# Altium PCB PCB.PcbDoc
Units mm, origin at the board's own origin, x right, y up, seen from the top; angles counter-clockwise.
Board outline 37.3 x 12.32 mm, 6 copper layers (Top Layer, GND, Signal Layer 1, Signal Layer 2, VCC, Bottom Layer), stack 0.816 mm thick; 58 components, 50 nets, 322 pads, 77 vias.
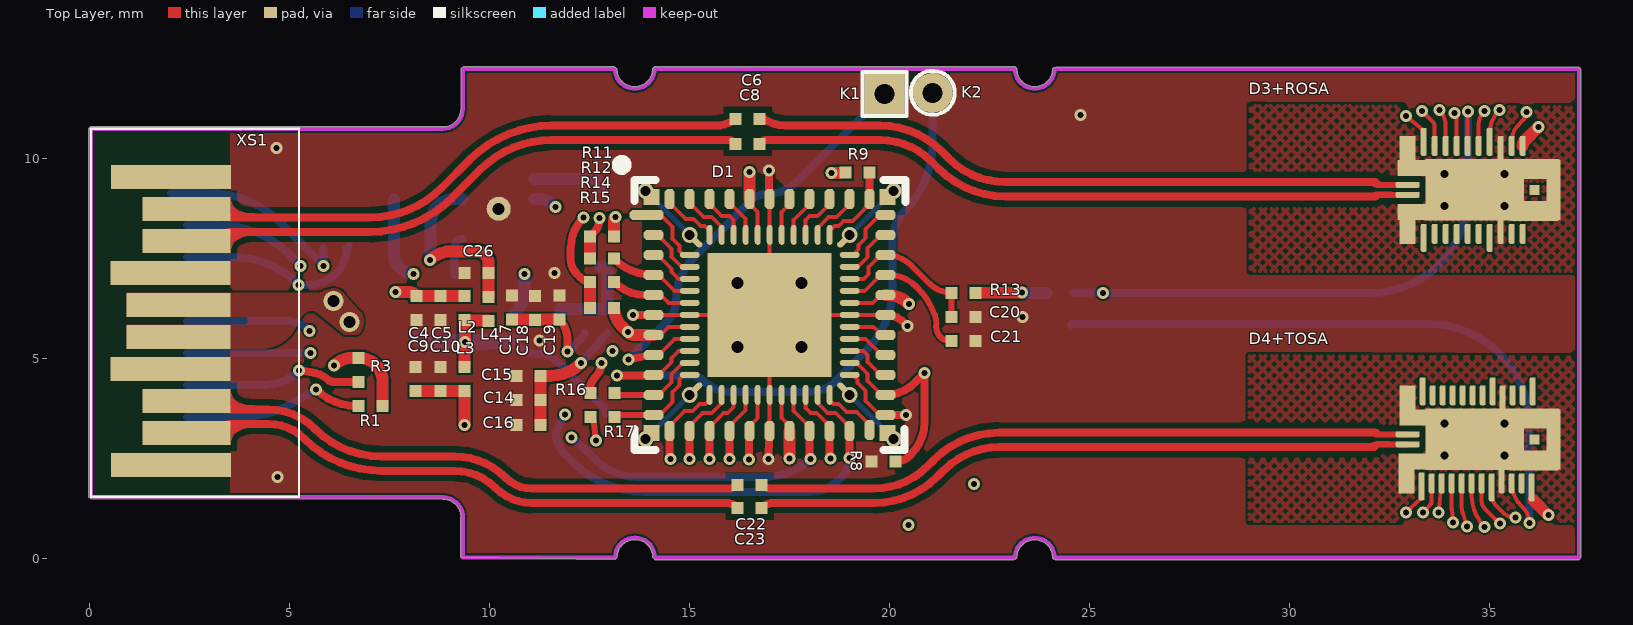
[diagram p0: Top Layer view]
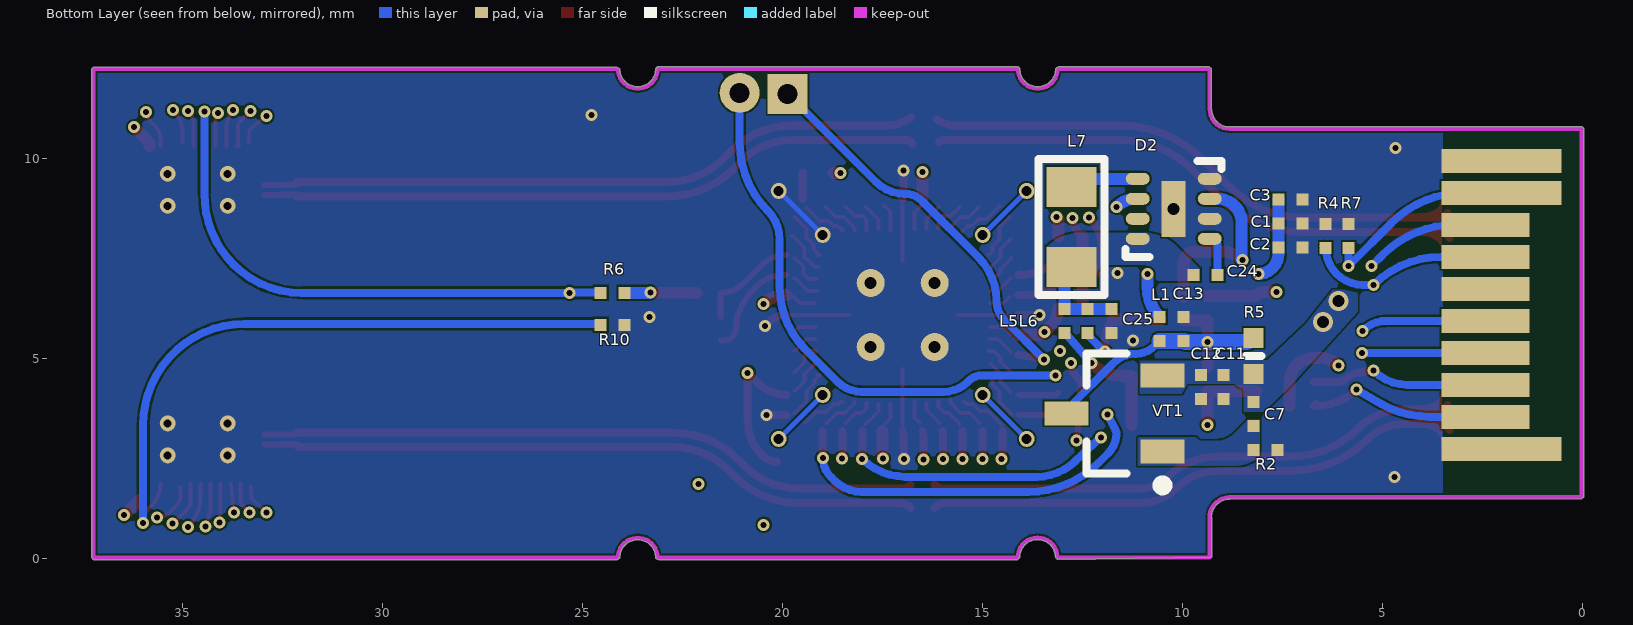
[diagram p1: Bottom Layer view, seen from below]
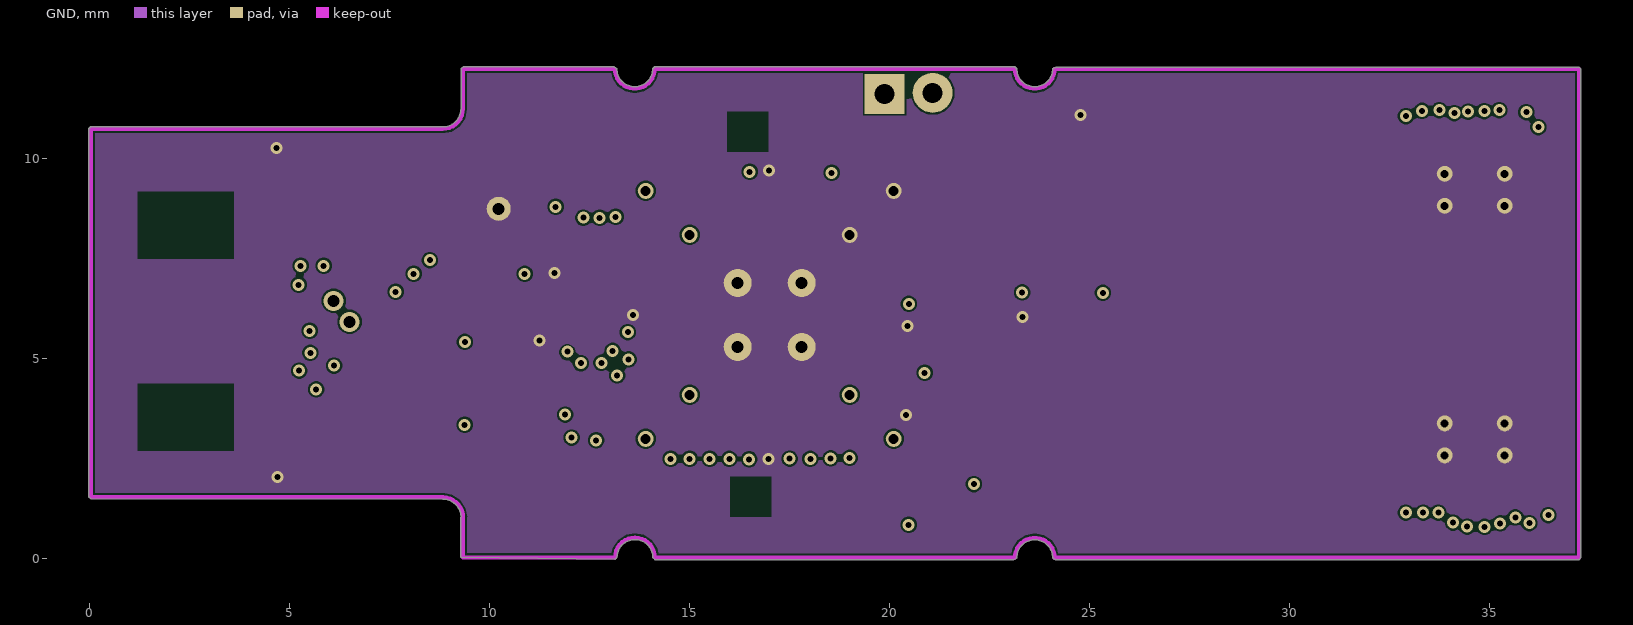
[diagram p2: GND]
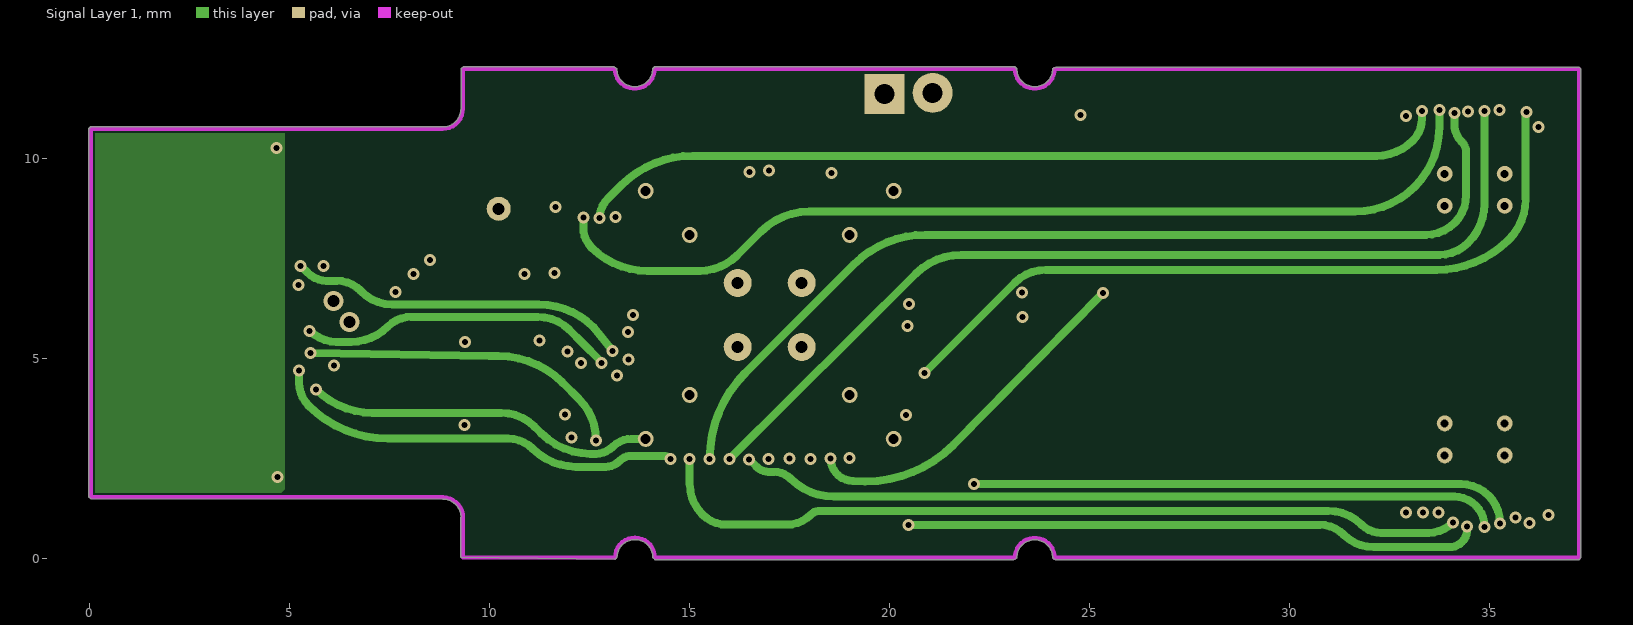
[diagram p3: Signal Layer 1]
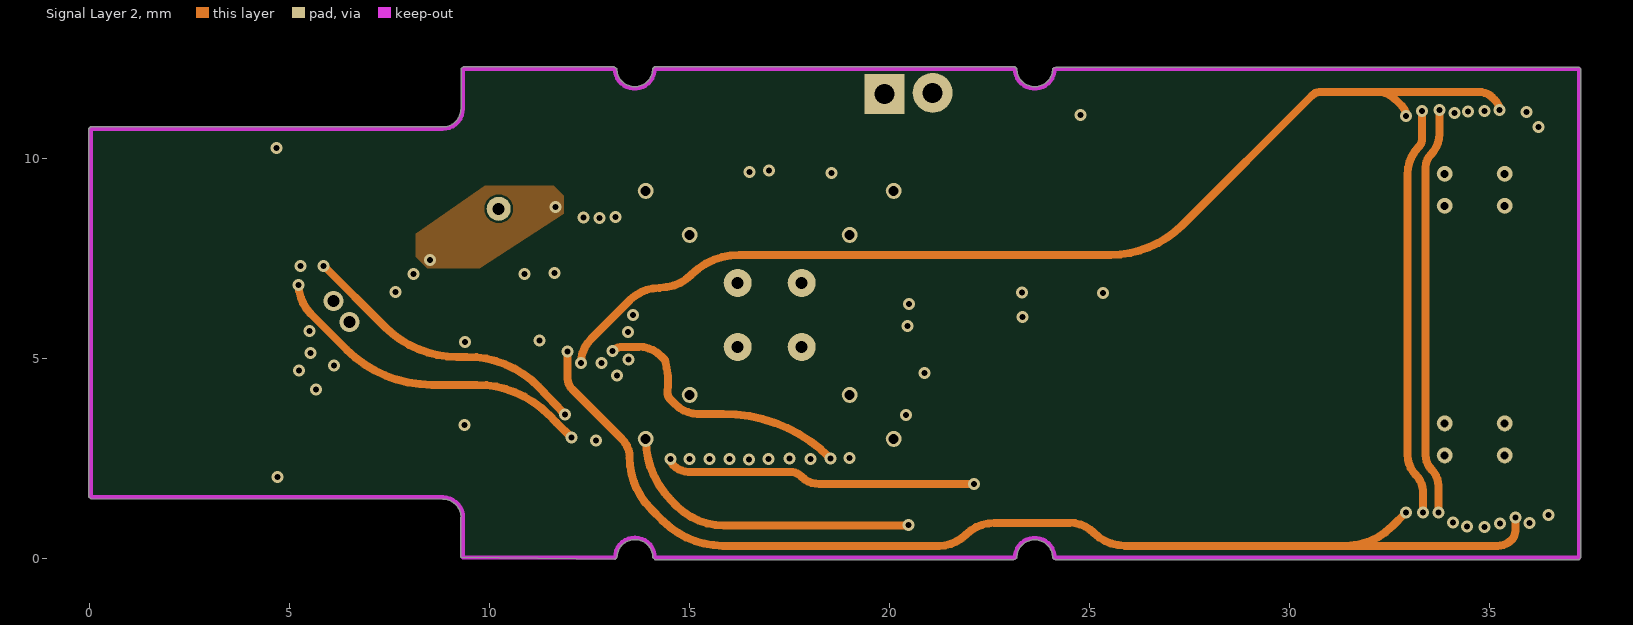
[diagram p4: Signal Layer 2]
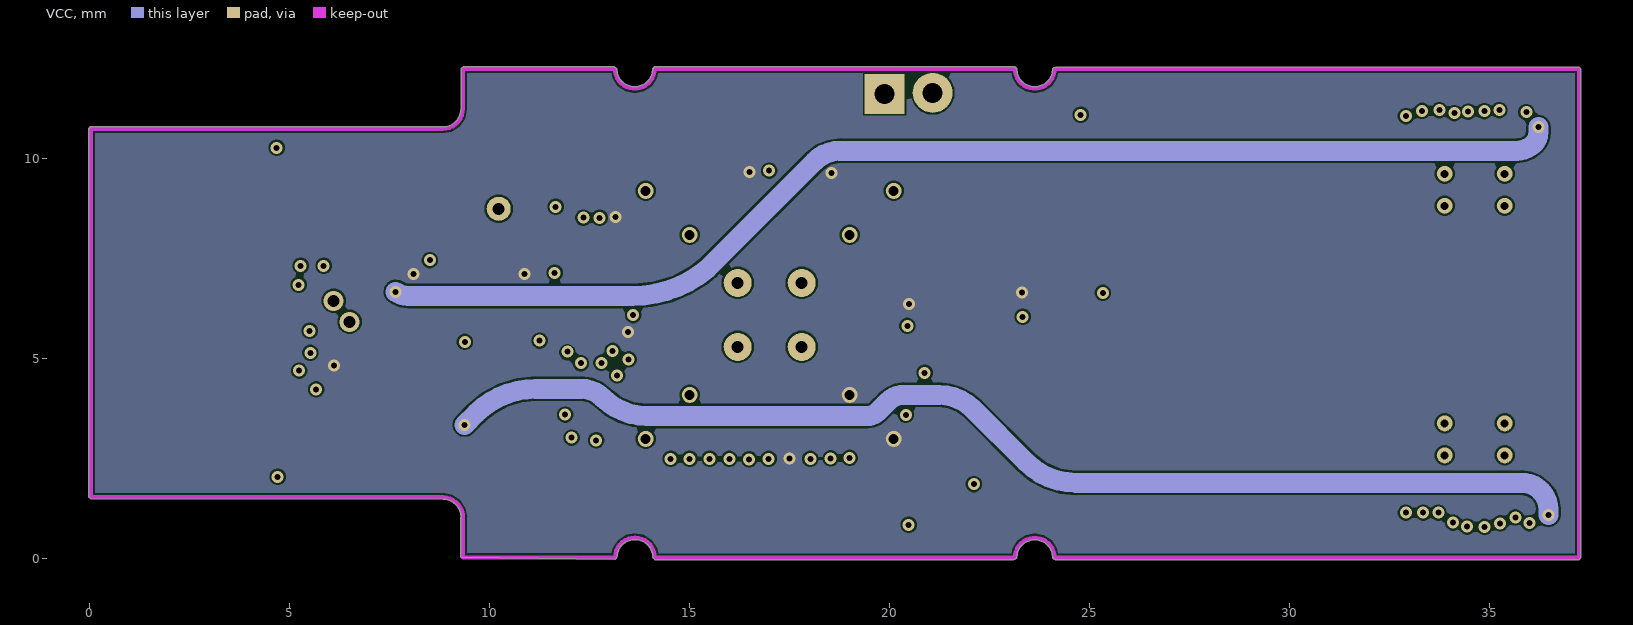
[diagram p5: VCC]

## Layer stack, top to bottom
Top Solder: solder mask 0.0102, Solder Resist, Dk 3.5
Top Layer: signal copper 0.035
Dielectric 4: prepreg 0.0711, PP-006, Dk 4.1
GND: signal copper 0.035
Dielectric 2: prepreg 0.0711, PP-006, Dk 4.1
Signal Layer 1: signal copper 0.0356
Dielectric 1: dielectric 0.32, FR-4, Dk 4.8
Signal Layer 2: signal copper 0.0356
Dielectric 3: prepreg 0.0711, PP-006, Dk 4.1
VCC: signal copper 0.035
Dielectric 5: prepreg 0.0711, PP-006, Dk 4.1
Bottom Layer: signal copper 0.035
Bottom Solder: solder mask 0.0102, Solder Resist, Dk 3.5

## Board outline
9.275,0.037 9.275,1.032 9.283,1.06 ccw(c8.827,1.032) 8.83,1.489 0.029,1.495 -0.025,1.549 -0.025,10.748 0.025,10.799 8.825,10.799 8.843,10.795 ccw(c8.825,11.252) 9.282,11.249 9.282,12.248 9.341,12.298 13.109,12.298 13.175,12.25 ccw(c13.625,12.25) 14.075,12.25 14.125,12.3 23.125,12.3 23.175,12.25 ccw(c23.625,12.25) 24.075,12.25 24.153,12.292 37.229,12.292 37.279,12.242 37.279,0.028 37.229,-0.022 24.142,-0.022 24.075,0.025 ccw(c23.625,0.025) 23.175,0.025 23.101,-0.019 14.129,-0.019 14.079,0.031 ccw(c13.629,0.031) 13.179,0.039 13.129,-0.013

## Design rules (kind name [scope] priority, off if disabled: settings)
Clearance Clearance_8 [InNet('TD_P')] p1: gap=0.158 ignorepadtopadclearanceinfootprint=FALSE
Clearance Clearance_7 [InNet('TD_N')] p2: gap=0.158 ignorepadtopadclearanceinfootprint=FALSE
Clearance Clearance_6 [InNet('TD1_P')] p3: gap=0.158 ignorepadtopadclearanceinfootprint=FALSE
Clearance Clearance_5 [InNet('TD1_N')] p4: gap=0.158 ignorepadtopadclearanceinfootprint=FALSE
Clearance Clearance_4 [InNet('RD_P')] p5: gap=0.158 ignorepadtopadclearanceinfootprint=FALSE
Clearance Clearance_3 [InNet('RD_N')] p6: gap=0.158 ignorepadtopadclearanceinfootprint=FALSE
Clearance Clearance_2 [InNet('RD1_P')] p7: gap=0.158 ignorepadtopadclearanceinfootprint=FALSE
Clearance Clearance_1 [InNet('RD1_N')] p8: gap=0.158 ignorepadtopadclearanceinfootprint=FALSE
Clearance [All] p9: gap=0.05 ignorepadtopadclearanceinfootprint=FALSE
DiffPairsRouting [All] p1: maxlimit=0.16 minlimit=0.1 mostfreqgap=0.16 toplayer_minwidth=0.1 toplayer_maxwidth=0.2 toplayer_prefwidth=0.2 midlayer1_minwidth=0.1 midlayer1_maxwidth=0.2 midlayer1_prefwidth=0.2 midlayer2_minwidth=0.1 midlayer2_maxwidth=0.2 midlayer2_prefwidth=0.2 midlayer3_minwidth=0.1 midlayer3_maxwidth=0.2 midlayer3_prefwidth=0.2 midlayer4_minwidth=0.1 midlayer4_maxwidth=0.2 midlayer4_prefwidth=0.2 bottomlayer_minwidth=0.1 bottomlayer_maxwidth=0.2 bottomlayer_prefwidth=0.2 maxuncoupledlength=12.7
HoleSize [All] p1: absolutevalues=TRUE maxlimit=0.5 minlimit=0.025 maxpercent=80.000 minpercent=20.000
HoleToHoleClearance [All] p1: gap=0.05 allowstackedmicrovias=TRUE
MatchedLengths [All] p1: tolerance=0.01 checknetsindiffpair=FALSE checkdiffpairvsdiffpair=TRUE checkxsignals=TRUE checkothers=TRUE
MinimumSolderMaskSliver [All] p1: minsoldermaskwidth=0
PolygonConnect PolygonConnect_1 [HasFootprint('IC: DIETACH 1921BK035') And OnLayer('Top Layer')] p1: connectstyle=Relief reliefconductorwidth=0.254 reliefentries=4 polygonreliefangle="90 Angle" airgapwidth=0.254
PolygonConnect [All] p2: connectstyle=Direct reliefconductorwidth=0.254 reliefentries=4 polygonreliefangle="90 Angle" airgapwidth=0.254
RoutingCorners [All] p1: cornerstyle=45-Degree minsetback=0.05 maxsetback=0.05
RoutingVias [All] p1: holewidth=0.15 width=0.03 viastyle="Through Hole" minholewidth=0.05 minwidth=0.1 maxholewidth=0.2 maxwidth=1
SilkToSilkClearance [All] p1: silktosilkclearance=0
SilkToSolderMaskClearance [IsPad] p1: minsilkscreentomaskgap=0 clearancetoexposedcopper=TRUE
SolderMaskExpansion [All] p1: expansion=0.102 istentingtop=FALSE
SupplyNets "Schematic Supply Nets_6" [InNet('VCC33_TX')] p1: voltage=0.000
SupplyNets "Schematic Supply Nets_5" [InNet('VCC33')] p2: voltage=0.000
SupplyNets "Schematic Supply Nets_4" [InNet('VCC33SFP')] p3: voltage=0.000
SupplyNets "Schematic Supply Nets_3" [InNet('VCC33P')] p4: voltage=0.000
SupplyNets "Schematic Supply Nets_2" [InNet('GND')] p5: voltage=0.000
SupplyNets "Schematic Supply Nets_1" [InNet('VCC33_RX')] p6: voltage=0.000
SupplyNets "Schematic Supply Nets" [InNet('VCC18')] p7: voltage=0.000
Width [All] p1: maxlimit=0.5 minlimit=0.05 preferedwidth=0.2
23 further rules are at their usual default settings.

## Classes and differential pairs
differential pair TD: +TD_P -TD_N
differential pair TD1: +TD1_P -TD1_N
differential pair RD: +RD_P -RD_N
differential pair RD1: +RD1_P -RD1_N

## Components (designator, comment, footprint, x,y, rotation, side; value= is the part's Value field where it differs from the comment)
C1 "Ceramic capacitor, 4,7μF, X5R, ±20%, 6.3 VDC, 0201, -55...+85°C" "CAP: 0201" 7.311,8.38 r0 bottom value=4,7μF
C2 "Ceramic capacitor, 4,7μF, X5R, ±20%, 6.3 VDC, 0201, -55...+85°C" "CAP: 0201" 7.311,7.78 r0 bottom value=4,7μF
C3 "Ceramic capacitor, 0.1μF, X7R, ±20%, 16V, 0201, -55...+125°C" "CAP: 0201" 7.311,8.98 r0 bottom value=0.1μF
C4 "Ceramic capacitor, 4,7μF, X5R, ±20%, 6.3 VDC, 0201, -55...+85°C" "CAP: 0201" 8.175,6.275 r90 top value=4,7μF
C5 "Ceramic capacitor, 0.1μF, X7R, ±20%, 16V, 0201, -55...+125°C" "CAP: 0201" 8.775,6.275 r90 top value=0.1μF
C6 "Ceramic capacitor, 0.1μF, X7R, ±20%, 16V, 0201, -55...+125°C" "CAP: 0201" 16.45,11 r180 top value=0.1μF
C7 "Ceramic capacitor, 4,7μF NC, X5R, ±20%, 6.3 VDC, 0201, -55...+85°C" "CAP: 0201" 8.225,3.625 r90 bottom value="4,7μF NC"
C8 "Ceramic capacitor, 0.1μF, X7R, ±20%, 16V, 0201, -55...+125°C" "CAP: 0201" 16.45,10.375 r180 top value=0.1μF
C9 "Ceramic capacitor, 4,7μF, X5R, ±20%, 6.3 VDC, 0201, -55...+85°C" "CAP: 0201" 8.15,4.5 r270 top value=4,7μF
C10 "Ceramic capacitor, 0.1μF, X7R, ±20%, 16V, 0201, -55...+125°C" "CAP: 0201" 8.775,4.5 r270 top value=0.1μF
C11 "Ceramic capacitor, 0.1μF, X7R, ±20%, 16V, 0201, -55...+125°C" "CAP: 0201" 8.976,4.294 r270 bottom value=0.1μF
C12 "Ceramic capacitor, 4,7μF, X5R, ±20%, 6.3 VDC, 0201, -55...+85°C" "CAP: 0201" 9.546,4.294 r270 bottom value=4,7μF
C13 "Ceramic capacitor, 4,7μF, X5R, ±20%, 6.3 VDC, 0201, -55...+85°C" "CAP: 0201" 9.975,5.75 r270 bottom value=4,7μF
C14 "Ceramic capacitor, 1nF, X7R, ±10%, 25V, 0201, -55...+125°C" "CAP: 0201" 10.975,3.975 r0 top value=1nF
C15 "Ceramic capacitor, 0.1μF, X7R, ±20%, 16V, 0201, -55...+125°C" "CAP: 0201" 10.975,4.575 r0 top value=0.1μF
C16 "Ceramic capacitor, 4,7μF, X5R, ±20%, 6.3 VDC, 0201, -55...+85°C" "CAP: 0201" 10.975,3.35 r180 top value=4,7μF
C17 "Ceramic capacitor, 1nF, X7R, ±10%, 25V, 0201, -55...+125°C" "CAP: 0201" 10.551,6.278 r270 top value=1nF
C18 "Ceramic capacitor, 0.1μF, X7R, ±20%, 16V, 0201, -55...+125°C" "CAP: 0201" 11.128,6.275 r270 top value=0.1μF
C19 "Ceramic capacitor, 4,7μF, X5R, ±20%, 6.3 VDC, 0201, -55...+85°C" "CAP: 0201" 11.743,6.28 r90 top value=4,7μF
C20 "Ceramic capacitor, 0.1μF, X7R, ±20%, 16V, 0201, -55...+125°C" "CAP: 0201" 21.85,6.05 r0 top value=0.1μF
C21 "Ceramic capacitor, 4,7μF, X5R, ±20%, 6.3 VDC, 0201, -55...+85°C" "CAP: 0201" 21.85,5.45 r180 top value=4,7μF
C22 "Ceramic capacitor, 0.1μF, X7R, ±20%, 16V, 0201, -55...+125°C" "CAP: 0201" 16.5,1.85 r180 top value=0.1μF
C23 "Ceramic capacitor, 0.1μF, X7R, ±20%, 16V, 0201, -55...+125°C" "CAP: 0201" 16.5,1.275 r180 top value=0.1μF
C24 "Ceramic capacitor, 560pF, X7R, ±10%, 50V, 0201, -55...+125°C" "CAP: 0201" 9.425,7.1 r180 bottom value=560pF
C25 "Ceramic capacitor, 1μF, X6S, ±20%, 6.3 VDC, 0201, -55...+105°C" "CAP: 0201" 11.775,5.95 r270 bottom value=1μF
C26 "Ceramic capacitor, 1μF, X6S, ±20%, 6.3 VDC, 0201, -55...+105°C" "CAP: 0201" 9.675,7.15 r180 top value=1μF
D1 "K1921BK035" "IC: DIETACH 1921BK035" 17,6.096 r0 top locked
D2 "MIC23050-GYML" "8-MLF (2X2)" 10.225,8.75 r180 bottom
D3+ROSA "MATA37644" "IC: DIETACH-37644" 34.625,9.175 r0 top locked (schematic designator D3)
D4+TOSA "MALD37645" "IC: DIETACH-37645" 34.625,2.986 r0 top locked (schematic designator D4)
K1 "SWCLK" "CON: TP Sqare F0.5-1.0?.0" 19.875,11.625 r0 top
K2 "SWDIO" "CON: TP Round F0.5-1.0" 21.075,11.65 r0 top
L1 "220R" "IND: 0201" 10.575,5.75 r90 bottom
L2 "220R" "IND: 0201" 9.375,6.275 r90 top
L3 "220R" "IND: 0201" 9.375,4.5 r270 top
L4 "220R" "IND: 0201" 9.975,6.25 r90 top
L5 "220R" "IND: 0201" 12.95,5.95 r270 bottom
L6 "220R" "IND: 0201" 12.375,5.95 r270 bottom
L7 "Fixed inductor, 1μH, ±30%, 0805, 1.4 A, -55...+125°C" "IND: 0805" 12.775,8.3 r90 bottom value=1μH
R1 "Resistor film, 10K, ±1%, 0201, 0.05W, -55...+125°C" "RES: 0201" 7.025,3.825 r180 top value=10K
R2 "Resistor film, 220K NC, ±1%, 0201, 0.05W, -55...+125°C" "RES: 0201" 7.925,2.725 r180 bottom value="220K NC"
R3 "Resistor film, 10K, ±1%, 0201, 0.05W, -55...+125°C" "RES: 0201" 6.725,4.725 r90 top value=10K
R4 "Resistor film, 30K, ±1%, 0201, 0.05W, -55...+125°C" "RES: 0201" 6.425,8.075 r90 bottom value=30K
R5 "Resistor film, 0R, ±5%, 0402, 0.063W, -55...+125°C" "RES: 0402" 8.225,5.075 r270 bottom value=0R
R6 "Resistor film, 10K, ±1%, 0201, 0.05W, -55...+125°C" "RES: 0201" 24.25,6.65 r180 bottom value=10K
R7 "Resistor film, 30K, ±1%, 0201, 0.05W, -55...+125°C" "RES: 0201" 5.85,8.075 r90 bottom value=30K
R8 "Resistor film, 1K, ±1%, 0201, 0.05W, -55...+125°C" "RES: 0201" 19.844,2.428 r0 top value=1K
R9 "Resistor film, 10K, ±1%, 0201, 0.05W, -55...+125°C" "RES: 0201" 19.198,9.65 r180 top value=10K
R10 "Resistor film, 8,06К, ±1%, 0201, 0.05W, -55...+125°C" "RES: 0201" 24.25,5.85 r0 bottom value=8,06К
R11 "Resistor film, 10K, ±1%, 0201, 0.05W, -55...+125°C" "RES: 0201" 12.809,8.059 r180 top value=10K
R12 "Resistor film, 100R, ±5%, 0201, 0.05W, -55...+125°C" "RES: 0201" 12.803,7.501 r0 top value=100R
R13 "Resistor film, 10K, ±1%, 0201, 0.05W, -55...+125°C" "RES: 0201" 21.85,6.65 r0 top value=10K
R14 "Resistor film, 100R, ±5%, 0201, 0.05W, -55...+125°C" "RES: 0201" 12.809,6.917 r0 top value=100R
R15 "Resistor film, 10K, ±1%, 0201, 0.05W, -55...+125°C" "RES: 0201" 12.809,6.272 r180 top value=10K
R16 "Resistor film, 100R, ±5%, 0201, 0.05W, -55...+125°C" "RES: 0201" 12.819,4.145 r0 top value=100R
R17 "Resistor film, 100R, ±5%, 0201, 0.05W, -55...+125°C" "RES: 0201" 12.821,3.541 r0 top value=100R
VT1 "CT2301 NC" SOT23 11.708,3.633 r0 bottom
XS1 "SFP CONNECTOR" "CON: SFP by SFF" 5.232,10.75 r180 top locked

## Footprints (in the part's own frame and the unit in brackets; to place one, negate y for a bottom-side part, rotate by r counter-clockwise, add the part's x,y. Pads: shape width x height; smd on the part's side, far side on the other; paste and mask are expansions set on the pad)
"8-MLF (2X2)" [mm] "2x2 mm, pitch 0.5 mm, power pad"
  rect 0.6x1.4 smd: 0(0,0)
  round 0.6 hole 0.3: 0(0,0)
  oval 0.6x0.3 smd mask+0.05: 1(-0.9,0.75) 2(-0.9,0.25) 3(-0.9,-0.25) 4(-0.9,-0.75) 5(0.9,-0.75) 6(0.9,-0.25) 7(0.9,0.25) 8(0.9,0.75)
  round 0.4 on Bottom Overlay: ""(-1.4,1.1)
  round 0.4 on Mech1: ""(-0.6,0.6)
  silkscreen extent -1.2,-1.2 1.2,1.2, body extent -1.01,-1 1.01,1, height 0.85
"CAP: 0201" [mm]
  rect 0.3x0.3 smd: 1(-0.3,0) 2(0.3,0)
  body extent -0.3,-0.15 0.3,0.15, height 0.31
"CON: SFP by SFF" [mm]
  rect 3x0.6 smd far side paste-2539.97: 1(3.2,8) 9(3.2,1.6) 10(3.2,0.8)
  rect 2.2x0.6 smd far side paste-2539.97: 2(2.8,7.2) 3(2.8,6.4) 4(2.8,5.6) 5(2.8,4.8) 6(2.8,4) 7(2.8,3.2) 8(2.8,2.4)
  rect 3x0.6 smd paste-2539.97: 11(3.2,1.2) 14(3.207,3.6) 17(3.207,6) 20(3.2,8.4)
  rect 2.2x0.6 smd paste-2539.97: 12(2.807,2) 13(2.807,2.8) 18(2.807,6.8) 19(2.807,7.6)
  rect 2.6x0.6 smd paste-2539.97: 15(3.007,4.4) 16(3.007,5.2)
  silkscreen extent 0,0 5.2,9.2
"CON: TP Round F0.5-1.0" [mm] "Test Point round D1 mm"
  round 1 hole 0.5: 1(0,0)
  silkscreen extent -0.55,-0.55 0.55,0.55
"CON: TP Sqare F0.5-1.0?.0" [mm] "Test Point square 1.0?.0"
  rect 1x1 hole 0.5: 1(0,0)
  silkscreen extent -0.55,-0.55 0.55,0.55
"IC: DIETACH 1921BK035" [mm] "MCU DIE 3x3 mm,"
  round 0.7 hole 0.3: 0(-0.8,-0.8) 0(-0.8,0.8) 0(0.8,-0.8) 0(0.8,0.8)
  rect 3.1x3.1 smd paste-2539.97: 0(0,0)
  oct 0.85x0.25 smd: 1(-3.075,2.5)
  oval 0.5x0.15 smd paste-2539.97: 1(-2,1.5) 2(-2,1.2) 3(-2,0.9) 4(-2,0.6) 5(-2,0.3) 6(-2,0) 7(-2,-0.3) 8(-2,-0.6) 9(-2,-0.9) 10(-2,-1.2) 11(-2,-1.5) 25(2,-1.5) 26(2,-1.2) 27(2,-0.9) 28(2,-0.6) 29(2,-0.3) 30(2,0) 31(2,0.3) 32(2,0.6) 33(2,0.9) 34(2,1.2) 35(2,1.5)
  oct 0.5x0.25 smd: 2(-2.9,2) 3(-2.9,1.5) 4(-2.9,1) 5(-2.9,0.5) 6(-2.9,0) 7(-2.9,-0.5) 8(-2.9,-1) 9(-2.9,-1.5) 10(-2.9,-2) 11(-2.9,-2.5) 25(2.9,-2.5) 26(2.9,-2) 27(2.9,-1.5) 28(2.9,-1) 29(2.9,-0.5) 30(2.9,0) 31(2.9,0.5) 32(2.9,1) 33(2.9,1.5) 34(2.9,2) 35(2.9,2.5)
  round 0.4 hole 0.25: 12(-3.1,-3.1) 12(-2,-2) 24(2,-2) 24(3.1,-3.1) 36(2,2) 36(3.1,3.1) 48(-3.1,3.1) 48(-2,2)
  rect 0.4x0.4 smd: 12(-2.95,-2.95) 24(2.95,-2.95) 36(2.95,2.95) 48(-2.95,2.95)
  oval 0.15x0.55 smd rot 135 paste-2539.97: 12(-1.9,-1.9) 36(1.9,1.9)
  oct 0.25x0.5 smd: 13(-2.5,-2.9) 14(-2,-2.9) 15(-1.5,-2.9) 16(-1,-2.9) 17(-0.5,-2.9) 18(0,-2.9) 19(0.5,-2.9) 20(1,-2.9) 21(1.5,-2.9) 22(2,-2.9) 23(2.5,-2.875) 37(2.5,2.9) 38(2,2.9) 39(1.5,2.9) 40(1,2.9) 41(0.5,2.9) 42(0,2.9) 43(-0.5,2.9) 44(-1,2.9) 45(-1.5,2.9) 46(-2,2.9) 47(-2.5,2.9)
  oval 0.15x0.5 smd paste-2539.97: 13(-1.5,-2) 14(-1.2,-2) 15(-0.9,-2) 16(-0.6,-2) 17(-0.3,-2) 18(0,-2) 19(0.3,-2) 20(0.6,-2) 21(0.9,-2) 22(1.2,-2) 23(1.5,-2) 37(1.5,2) 38(1.2,2) 39(0.9,2) 40(0.6,2) 41(0.3,2) 42(0,2) 43(-0.3,2) 44(-0.6,2) 45(-0.9,2) 46(-1.2,2) 47(-1.5,2)
  oval 0.15x0.55 smd rot 45 paste-2539.97: 24(1.9,-1.9) 48(-1.9,1.9)
  round 0.5 on Mech1 mask+0: ""(-2.5,2.5)
  Top Layer lines w0.1: -2.725,-1.45 -2.45,-1.175 -2.45,-1.075 -2.275,-0.9 -2.15,-0.9 ; -2.725,1.425 -2.45,1.15 -2.45,1.075 -2.275,0.9 -2.175,0.9 ; -2.7,-2.475 -2.725,-2.475 -2.425,-2.175 -2.425,-1.925 -2.25,-1.75 -2.25,-1.6 -2.125,-1.475 ; -2.7,-1.925 -2.45,-1.675 -2.45,-1.475 -2.2,-1.225 ; -2.7,-0.925 -2.375,-0.6 -2.175,-0.6 ; -2.7,-0.475 -2.525,-0.3 -2.2,-0.3 ; -2.7,0.925 -2.375,0.6 -2.2,0.6 ; -2.7,1.9 -2.45,1.65 -2.45,1.45 -2.2,1.2 -2.175,1.2 ; -2.675,0 -2,0 -1.375,0 ; -2.675,0.45 -2.525,0.3 -2.2,0.3 ; -2.675,2.45 -2.438,2.212 ; -2.475,-2.75 -2.125,-2.4 -1.925,-2.4 -1.75,-2.225 -1.6,-2.225 -1.55,-2.175 -1.525,-2.175 ; -2.425,2.2 -2.425,1.9 -2.25,1.725 -2.25,1.6 -2.15,1.5 ; -2.425,2.725 -2.1,2.4 -1.9,2.4 -1.725,2.225 -1.625,2.225 -1.5,2.1 ; -1.925,-2.7 -1.675,-2.45 -1.45,-2.45 -1.2,-2.2 -1.2,-2.125 ; -1.9,2.7 -1.65,2.45 -1.45,2.45 -1.2,2.2 -1.2,2.075 ; -1.425,-2.725 -1.15,-2.45 -1.05,-2.45 -0.9,-2.3 -0.9,-2.15 ; -1.425,2.7 -1.2,2.475 -1,2.475 -0.9,2.375 -0.9,2.175 ; -0.925,-2.7 -0.6,-2.375 -0.6,-2.2 ; -0.9,2.7 -0.6,2.4 -0.6,2.15 ; -0.475,2.75 -0.3,2.575 -0.3,2.15 ; -0.425,-2.7 -0.3,-2.575 -0.3,-2.175 ; 0,-2.75 0,-2 0,-1.35 ; 0,1.35 0,2 0,2.75 ; 0.3,-2.225 0.3,-2.575 0.425,-2.7 ; 0.3,2.1 0.3,2.575 0.45,2.725 ; 0.6,-2.225 0.6,-2.4 0.925,-2.725 ; 0.6,2.15 0.6,2.375 0.925,2.7 ; 0.9,-2.2 0.9,-2.325 1.025,-2.45 1.175,-2.45 1.425,-2.7 ; 0.9,2.1 0.9,2.375 1,2.475 1.2,2.475 1.425,2.7 ; 1.2,-2.175 1.2,-2.2 1.45,-2.45 1.65,-2.45 1.9,-2.7 ; 1.2,2.125 1.2,2.175 1.475,2.45 1.675,2.45 1.925,2.7 ; 1.35,0 2,0 2.775,0 ; 1.5,-2.175 1.55,-2.175 1.6,-2.225 1.725,-2.225 1.925,-2.425 2.175,-2.425 2.45,-2.7 ; 1.5,2.15 1.5,2.1 1.625,2.225 1.725,2.225 1.85,2.35 2.075,2.35 2.4,2.675 ; 2.1,1.2 2.2,1.2 2.45,1.45 2.45,1.675 2.75,1.975 ; 2.125,-1.5 2.075,-1.5 2.2,-1.625 2.2,-1.7 2.4,-1.9 2.4,-2.15 2.7,-2.45 ; 2.125,1.5 2.075,1.5 2.225,1.65 2.225,1.75 2.4,1.925 2.4,2.15 2.7,2.45 ; 2.15,-0.9 2.35,-0.9 2.45,-1 2.45,-1.175 2.7,-1.425 ; 2.15,0.6 2.375,0.6 2.7,0.925 ; 2.15,0.9 2.35,0.9 2.475,1.025 2.475,1.2 2.7,1.425 ; 2.175,-1.2 2.45,-1.475 2.45,-1.65 2.7,-1.9 ; 2.175,-0.6 2.4,-0.6 2.7,-0.9 ; 2.175,-0.3 2.6,-0.3 2.725,-0.425 ; 2.2,0.3 2.575,0.3 2.725,0.45 ; -1.5,2.1 -1.5,2.1
  Bottom Layer lines w0.125: -3.1,-3.1 -2,-2 ; -3.1,3.1 -2,2 ; 2,-2 3.1,-3.1 ; 2,2 3.1,3.1
  silkscreen extent -3.82,-3.38 3.4,3.87, body extent -3.6,-4.32 1.58,1.57, height 0.25
"IC: DIETACH-37644" [mm] "MATA-37644, pitch 0.125 mm, dietach pad TIA-CDR PD"
  round 0.4 hole 0.2: 0(-0.75,-0.35) 0(-0.75,0.45) 0(0.75,-0.35) 0(0.75,0.45)
  rect 2.47x1.53 smd paste-2539.97: 0(0,0.05)
  rect 0.25x0.25 smd paste-2539.97: 0(1.5,0.05)
  rect 0.35x1.5 smd paste-2539.97: 0(1.975,0.05)
  rect 0.7x0.4 smd paste-2539.97: 3(-1.575,0.6) 6(-1.575,-0.5)
  rrect50% 0.6x0.15 smd paste-2539.97: 4(-1.675,0.175) 5(-1.675,-0.075)
  rect 0.4x0.8 smd paste-2539.97: 9(-1.675,-0.9) 40(-1.675,1)
  rrect50% 0.15x0.7 smd paste-2539.97: 10(-1.275,-1.15) 17(0.375,-1.15) 32(0.375,1.25) 39(-1.275,1.25)
  rrect50% 0.15x0.5 smd paste-2539.97: 11(-1,-1.05) 12(-0.725,-1.05) 13(-0.45,-1.05) 15(-0.175,-1.05) 16(0.1,-1.05) 19(0.925,-1.05) 20(1.2,-1.05) 29(1.2,1.15) 30(0.925,1.15) 33(0.1,1.15) 34(-0.175,1.15) 36(-0.45,1.15) 37(-0.725,1.15) 38(-1,1.15)
  rrect50% 0.15x0.9 smd paste-2539.97: 18(0.65,-0.85) 31(0.65,0.95)
  rect 1.2x0.5 smd paste-2539.97: 21(1.5,-0.475) 28(1.525,0.575)
  body extent -1.23,-0.73 1.2,0.82, height 0.15
"IC: DIETACH-37645" [mm] "MATA-37645, pitch 0.125 mm, dietach pad  LD CDR"
  round 0.4 hole 0.2: 0(-0.75,-0.4) 0(-0.75,0.4) 0(0.75,-0.4) 0(0.75,0.4)
  rect 2.47x1.53 smd paste-2539.97: 0(0,0)
  rect 0.25x0.25 smd paste-2539.97: 0(1.5,0)
  rect 0.35x1.5 smd paste-2539.97: 0(1.975,0)
  rect 0.7x0.4 smd paste-2539.97: 3(-1.525,0.55) 6(-1.55,-0.55)
  rrect50% 0.6x0.15 smd paste-2539.97: 4(-1.675,0.125) 5(-1.675,-0.125)
  rect 0.4x0.8 smd paste-2539.97: 9(-1.7,-0.95) 42(-1.675,0.95)
  rrect50% 0.15x0.7 smd paste-2539.97: 10(-1.325,-1.175) 17(0.425,-1.2) 21(1.425,-1.2) 30(1.45,1.2) 34(0.45,1.2) 41(-1.3,1.2)
  rrect50% 0.15x0.5 smd paste-2539.97: 11(-1.075,-1.1) 12(-0.825,-1.1) 13(-0.575,-1.1) 14(-0.325,-1.1) 15(-0.075,-1.1) 16(0.175,-1.1) 19(0.925,-1.1) 20(1.175,-1.1) 31(1.2,1.1) 32(0.95,1.1) 35(0.2,1.1) 36(-0.05,1.1) 37(-0.3,1.1) 38(-0.55,1.1) 39(-0.8,1.1) 40(-1.05,1.1)